# Altium PCB MMB_Controller_Board.pcbdoc (part 1 of 3) (continued)
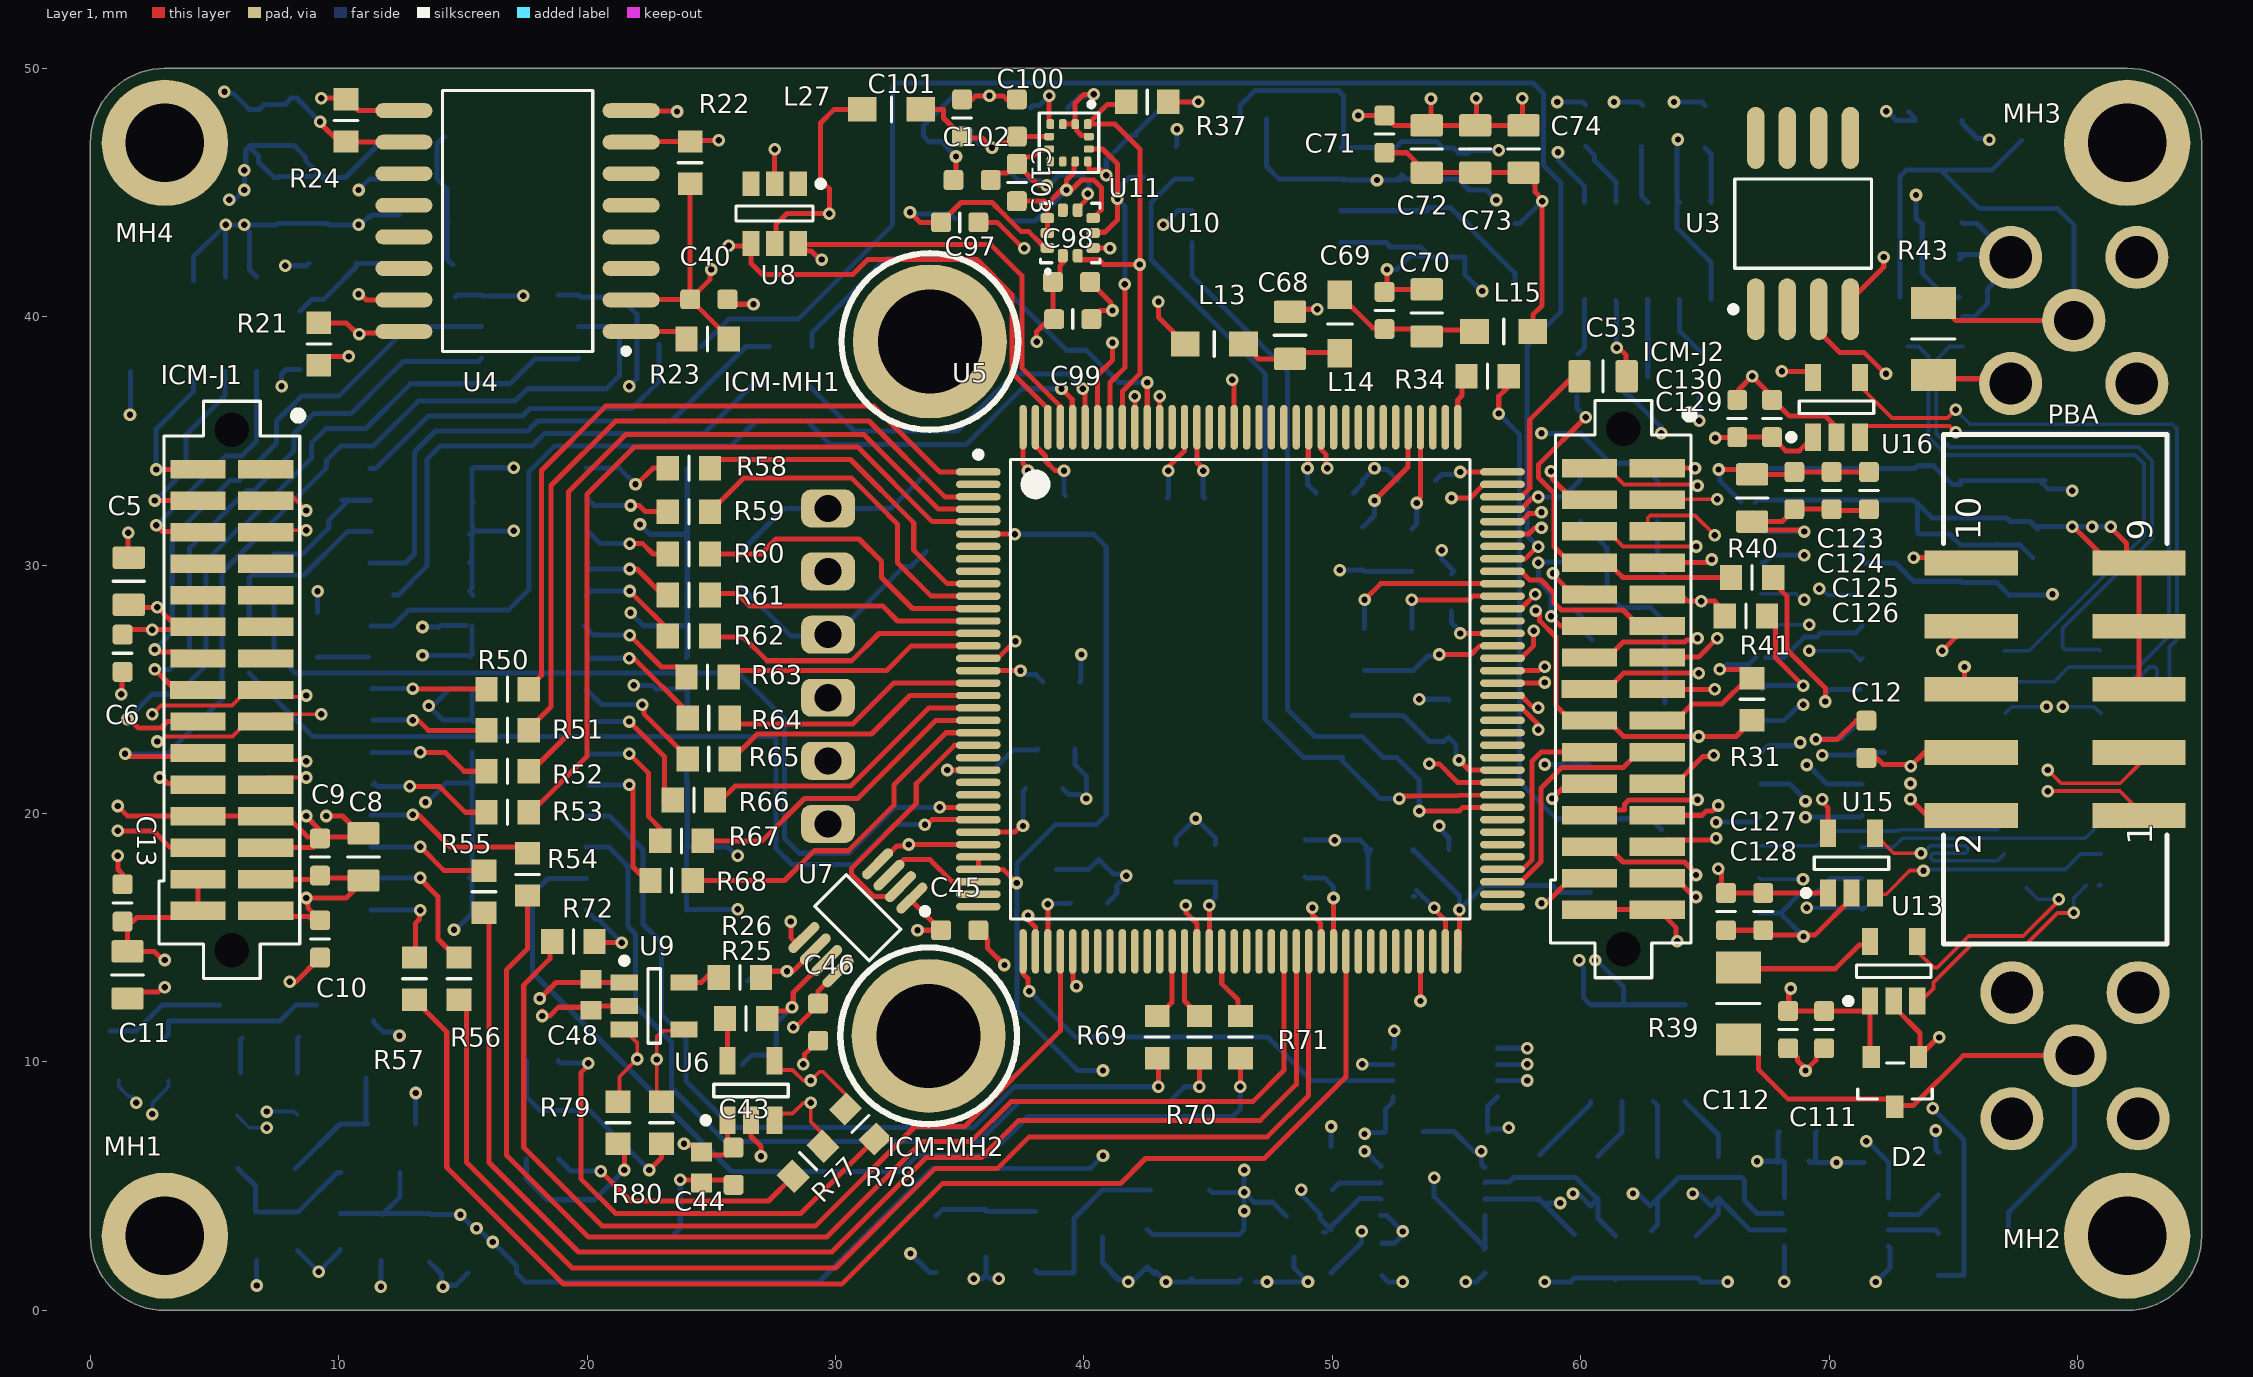
[diagram p0: Layer 1 view]
## Footprints (in the part's own frame and the unit in brackets; to place one, negate y for a bottom-side part, rotate by r counter-clockwise, add the part's x,y. Pads: shape width x height; smd on the part's side, far side on the other; paste and mask are expansions set on the pad) (continued)
  silkscreen extent -10.67,-9.25 9.25,9.57, body extent -10,-10 10,10, height 1.78
"Test Point SM" [mil]
  rrect10% 150x80 smd: 1(0,0)
  body extent -75,-40 75,40, height 60
TI-DGK8_N [mm]
  oval 1.6x0.4 smd: 1(-2.1,0.975) 2(-2.1,0.325) 3(-2.1,-0.325) 4(-2.1,-0.975) 5(2.1,-0.975) 6(2.1,-0.325) 7(2.1,0.325) 8(2.1,0.975)
  silkscreen extent -2.22,-1.55 0.9,1.85, body extent -2.01,-1.52 2.06,1.52, height 1.1
VFLGA-12 [mm]
  rrect50% 0.4x0.3 smd mask+0.05: 1(-0.75,0.75) 2(-0.75,0.25) 3(-0.75,-0.25) 4(-0.75,-0.75) 7(0.75,-0.75) 8(0.75,-0.25) 9(0.75,0.25) 10(0.75,0.75)
  rrect50% 0.3x0.4 smd mask+0.05: 5(-0.25,-0.8) 6(0.25,-0.8) 11(0.25,0.8) 12(-0.25,0.8)
  silkscreen extent -1.63,-1.2 1.2,1.2, body extent -1.02,-1 0.98,1, height 1.1
W8+2_M [mm]
  oval 2.5x0.7 smd: 1(-3.45,1.905) 2(-3.45,0.635) 3(-3.45,-0.635) 4(-3.45,-1.905) 5(3.45,-1.905) 6(3.45,-0.635) 7(3.45,0.635) 8(3.45,1.905)
  silkscreen extent -3.57,-2.75 1.8,2.93, body extent -3.02,-2.51 3.02,2.51, height 1.6

## Part data
C1 C2 C3 C4 C40 C43 C45 C46 C47 C50 C55 C56 C57 C58 C59 C60 C61 C62 C63 C64 C65 C66 C67 C96 C98 C100 C102 C104 C105 C106 C108 C131 C132: library part CapC_0.1uF_603_50V, "0.1µF ±10% 50V Ceramic Capacitor X7R 0603 (1608 Metric)", Capacitance=0.1uF, Case/Package=0603, Case Code (Metric)=1608, Dielectric=X7R, Manufacturer=TDK, Manufacturer Part Number=CGJ3E2X7R1H104K080AA, Max Operating Temperature=125°C, Min Operating Temperature=-55°C, Package Quantity=1, Ratings=COTS, Supplier Part Number 1=445-8122-1-ND, Tolerance=10%, Voltage Rating=50V, Case Code (Imperial)=0603, ComponentLink1Description=Datasheet, ComponentLink1URL=https://product.tdk.com/info/en/catalog/datasheets/mlcc_highreliability_general_en.pdf, ComponentLink2Description="Supplier Link", ComponentLink2URL=https://www.digikey.com/products/en?keywords=445-8122-1-ND, Composition=Ceramic, Depth=0.8mm, Height=0.8mm, Lead Free="Lead Free", Length=1.6mm, Mount="Surface Mount", Packaging="Tape and Reel", Pricing 1="1 = 0.22000, 10 = 0.15300, 100 = 0.07740, 500 = 0.05294, 1000 = 0.04683 (USD)", Radiation Hardening=No, RoHS=Yes, Stock 1=697211, Supplier 1=Digi-Key, Termination=SMD/SMT, Thickness=0.035inch, Voltage Rating (DC)=50V, Weight=7.1E-05oz, Width=0.8mm
C5 C8 C11 C51 C54 C68 C70 C72 C73 C74 C75 C77 C79 C80 C81 C82 C84 C86 C87 C88 C89 C91 C93 C94 C95 C110 C115 C119 C123 C133 C134: library part CapC_10uF_805_10V, "Capacitor", Capacitance=10uF, Case/Package=0805, Case Code (Metric)=2012, Dielectric=X7R, Manufacturer=Murata, Manufacturer Part Number=GCJ21BR71A106KE01L, Max Operating Temperature=125°C, Min Operating Temperature=-55°C, Package Quantity=3000, Ratings=AEC-Q200, Supplier Part Number 1=490-12646-1-ND, Tolerance=10%, Voltage Rating=10V, Case Code (Imperial)=0805, ComponentLink1Description=Datasheet, ComponentLink1URL=https://www.murata.com/~/media/webrenewal/support/library/catalog/products/capacitor/mlcc/c03e.ashx?la=en-us, ComponentLink2Description="Supplier Link", ComponentLink2URL=https://www.digikey.com/products/en?keywords=490-12646-1-ND, Depth=1.25mm, Features="Soft Termination", Height=1.25mm, Length=2mm, Mount="Surface Mount", Packaging="Tape and Reel", Pricing 1="1 = 0.70000, 10 = 0.49300, 100 = 0.32440, 500 = 0.24032, 1000 = 0.20428 (USD)", RoHS=Yes, Stock 1=140399, Supplier 1=Digi-Key, Termination=SMD/SMT, Thickness=0.057inch, Voltage Rating (DC)=10V, Weight=0.000335oz, Width=0.049inch
C6 C7 C9 C10 C12 C13 C41 C49 C69 C71 C76 C78 C83 C85 C90 C92 C116 C117 C118 C120 C121 C122 C124 C125 C126: library part CapC_0.1uF_603_50V_GCJ, "0.1µF ±10% 50V Ceramic Capacitor X7R 0603 (1608 Metric)", Capacitance=0.1uF, Case/Package=0603, Case Code (Metric)=1608, Dielectric=X7R, Manufacturer=Murata, Manufacturer Part Number=GCJ188R71H104KA12D, Max Operating Temperature=125°C, Min Operating Temperature=-55°C, Package Quantity=1, Ratings=AEC-Q200, Supplier Part Number 1=490-5798-1-ND, Tolerance=10%, Voltage Rating=50V, Case Code (Imperial)=0603, ComponentLink1Description=Datasheet, ComponentLink1URL=https://psearch.en.murata.com/capacitor/product/GCJ188R71H104KA12%23.pdf, ComponentLink2Description="Supplier Link", ComponentLink2URL=https://www.digikey.com/products/en?keywords=490-5798-1-ND, Depth=0.8mm, Features="Soft Termination", Height=0.8mm, Lead Free="Lead Free", Length=1.6mm, Mount="Surface Mount", Packaging="Tape and Reel", Pricing 1="1=0.28000, 10=0.19200, 100=0.10890, 500=0.07686, 1000=0.06725 (USD)", Radiation Hardening=No, RoHS=Yes, Stock 1=2321609, Supplier 1=Digi-Key, Termination=SMD/SMT, Thickness=0.035inch, Voltage Rating (DC)=50V, Width=0.031inch
C42: library part CapC_10uF_1206_16V, "Capacitor", Capacitance=10uF, Case/Package=1206, Case Code (Metric)=3216, Dielectric=X7R, Manufacturer=Murata, Manufacturer Part Number=GCJ31CR71C106KA15L, Max Operating Temperature=125°C, Min Operating Temperature=-55°C, Package Quantity=2000, Ratings=AEC-Q200, Supplier Part Number 1=490-10558-1-ND, Tolerance=10%, Voltage Rating=16V, Case Code (Imperial)=1206, ComponentLink1Description=Datasheet, ComponentLink1URL=https://www.murata.com/~/media/webrenewal/support/library/catalog/products/capacitor/mlcc/c03e.ashx?la=en-us, ComponentLink2Description="Supplier Link", ComponentLink2URL=https://www.digikey.com/products/en?keywords=490-10558-1-ND, Features="Soft Termination", Height=1.25mm, Length=0.126inch, Mount="Surface Mount", Packaging="Tape and Reel", Pricing 1="1 = 0.79000, 10 = 0.56200, 100 = 0.36990, 500 = 0.27402, 1000 = 0.23292 (USD)", RoHS=Yes, Stock 1=43020, Supplier 1=Digi-Key, Termination=SMD/SMT, Thickness=0.075inch, Voltage Rating (DC)=16V, Weight=0.001411oz, Width=1.6mm
C44 C48: library part CMP-2000-06338-1, "Chip Capacitor, 10000 pF, +/- 10%, 16 V, -55 to 125 degC, 0603 (1608 Metric), RoHS, Tape and Reel", Case Size/Dimension=0603, Dielectric=X7R, Manufacturer=Murata, Package Description="2-Pin Surface Mount Device, Body 1.6 x 0.8 mm", Rated Voltage=16V, Tolerance (%)=±10%, Capacitance=10nF, Datasheet URL=http://search.murata.co.jp/Ceramy/image/img/A01X/G101/ENG/GRM188R71C103KA01-01.pdf, Datasheet Version=02/2016, Manufacturer URL=http://www.murata.com/, Mounting Technology=SurfaceMount, Package Reference=0603
C52 C53: library part CapC_2.2uF_805_16V, "CAP CER 2.2UF 16V X7R 0805", Capacitance=2.2uF, Case/Package=0805, Case Code (Metric)=2012, Dielectric=X7R, Manufacturer=Murata, Manufacturer Part Number=GCJ21BR71C225KA13L, Max Operating Temperature=125°C, Min Operating Temperature=-55°C, Package Quantity=1, Ratings=AEC-Q200, Supplier Part Number 1=490-5801-1-ND, Tolerance=10%, Voltage Rating=16V, Case Code (Imperial)=0805, ComponentLink1Description="Supplier Link", ComponentLink1URL=https://www.digikey.com/products/en?keywords=490-5801-1-ND, ComponentLink2Description=Datasheet, ComponentLink2URL=https://psearch.en.murata.com/capacitor/product/GCJ21BR71C225KA13%23.pdf, ComponentLink3Description=https://datasheet.ciiva.com/172/product-172726.pdf?src-supplier=Digi-Key, ComponentLink3URL=https://datasheet.ciiva.com/172/product-172726.pdf?src-supplier=Digi-Key, ComponentLink4Description=https://datasheet.ciiva.com/172/s0717e-172727.pdf?src-supplier=Digi-Key, ComponentLink4URL=https://datasheet.ciiva.com/172/s0717e-172727.pdf?src-supplier=Digi-Key, ComponentLink5Description=https://datasheet.ciiva.com/172/s0717e-172728.pdf?src-supplier=Digi-Key, ComponentLink5URL=https://datasheet.ciiva.com/172/s0717e-172728.pdf?src-supplier=Digi-Key, Depth=1.25mm, Features="Soft Termination", Height=1.25mm, Lead Free="Lead Free", Length=2mm, Mount="Surface Mount", Packaging="Tape and Reel", Pricing 1="1 = 0.52000, 10 = 0.35900, 100 = 0.21520, 500 = 0.16138, 1000 = 0.13628 (USD)", Radiation Hardening=No, RoHS=Yes, Stock 1=18374, Supplier 1=Digi-Key, Termination=SMD/SMT, Thickness=0.057inch, Voltage Rating (DC)=16V, Width=0.049inch
C97 C99 C101 C103 C107 C109 C111 C114 C127 C129: library part CapC_1.0uF_603_25V, "1µF ±10% 25V Ceramic Capacitor X7R 0603 (1608 Metric)", Capacitance=1.0uF, Case/Package=0603, Manufacturer=Murata, Manufacturer Part Number=GCJ188R71E105KA01D, Supplier Part Number 1=490-14409-1-ND, ComponentLink1Description="Supplier Link", ComponentLink1URL=https://www.digikey.com/products/en?keywords=490-14409-1-ND, ComponentLink2Description=Datasheet, ComponentLink2URL=https://search.murata.co.jp/Ceramy/image/img/A01X/G101/ENG/GCJ188R71E105KA01-01.pdf, ComponentLink3Description=Catalog, ComponentLink3URL=https://www.murata.com/~/media/webrenewal/support/library/catalog/products/capacitor/mlcc/c03e.ashx?la=en-us, Lead Free="Lead Free", Pricing 1="1=0.28000, 10=0.19400, 100=0.11020, 500=0.07780, 1000=0.06807 (USD)", RoHS=No, Stock 1=166271, Supplier 1=Digi-Key
C112 C113 C128 C130: library part CapC_1000pF_603_50V, "Capacitor", Capacitance=1nF, Case/Package=0603, Case Code (Metric)=1608, Dielectric=X7R, Manufacturer="Knowles Syfer", Manufacturer Part Number=0603Y0500102KXT, Max Operating Temperature=125°C, Min Operating Temperature=-55°C, Package Quantity=4000, Supplier Part Number 1=1608-1367-1-ND, Tolerance=10%, Voltage Rating=50V, Case Code (Imperial)=0603, ComponentLink1Description=Datasheet, ComponentLink1URL=https://www.knowlescapacitors.com/getattachment/2dbfc8bc-e2b3-4b4d-afb1-43b011b9ebe0/High-Std-Voltage.aspx, ComponentLink2Description="Supplier Link", ComponentLink2URL=https://www.digikey.com/product-detail/en/knowles-syfer/0603Y0500102KXT/1608-1367-1-ND/7644469, Composition=Ceramic, Depth=0.8mm, Dissipation Factor=2.5%, Height=0.8mm, Length=1.6mm, Packaging="Tape and Reel", Pricing 1="1 = 0.540000, 10 = 0.379000, 100 = 0.249600, 500 = 0.184900, 1000 = 0.157160 (USD)", RoHS=Yes, Stock 1=7150, Supplier 1=Digi-Key, Termination=SMD/SMT, Voltage Rating (DC)=50V, Width=0.8mm
D2 D3: library part "Diode ESD Pair", "DIODE ARRAY SCHOTTKY 30V SOT23-3", Average Rectified Current=200mA, Case/Package=SOT-23-3, Forward Voltage=800mV, Manufacturer="ON Semiconductor", Max Operating Temperature=150°C, Max Repetitive Reverse Voltage (Vrrm)=30V, Max Reverse Leakage Current=2uA, Max Surge Current=600mA, Min Operating Temperature=-55°C, Package Quantity=3000, Power Dissipation=225mW, Supplier Part Number 1=SBAT54SLT1GOSCT-ND, ComponentLink1Description="Supplier Link", ComponentLink1URL=https://www.digikey.com/products/en?keywords=SBAT54SLT1GOSCT-ND, ComponentLink2Description=Datasheet, ComponentLink2URL=http://www.onsemi.com/pub/Collateral/BAT54SLT1-D.PDF, Element Configuration=Dual, Forward Current=200mA, Halogen Free="Halogen Free", Height=1.01mm, Lead Free="Lead Free", Length=3.04mm, Manufacturer Part Number=SBAT54SLT1G, Max Reverse Voltage (DC)=30V, Number of Pins=3, Packaging="Tape and Reel", Peak Non-Repetitive Surge Current=600mA, Peak Reverse Current=2uA, Pricing 1="1 = 0.35000, 10 = 0.28800, 100 = 0.19580, 500 = 0.14684, 1000 = 0.11012 (USD)", Radiation Hardening=No, Recovery Time=5ns, Reverse Recovery Time=5ns, RoHS=Yes, Stock 1=119322, Supplier 1=Digi-Key, Width=1.4mm
ICM-J1 ICM-J2: "SOCKET STRIP, .050\" (1.27mm) PITCH, SURFACE MOUNT.", Color=Black, Contact Resistance=15mR, Manufacturer=Samtec, Manufacturer Part Number=SFM-115-02-S-D-A-K-TR, Max Operating Temperature=125°C, Max Voltage Rating (AC)=250V, Min Operating Temperature=-55°C, Supplier Part Number 1=SAM13245CT-ND, ComponentLink2Description="Supplier Link", ComponentLink2URL=https://www.digikey.com/products/en?keywords=SAM13245CT-ND, ComponentLink3Description=Datasheet, ComponentLink3URL=http://suddendocs.samtec.com/catalog_english/sfm.pdf, ComponentLink4Description=Drawing, ComponentLink4URL=http://suddendocs.samtec.com/prints/sfm-1xx-xx-xxx-d-xxx-mkt.pdf, Connector Type=Receptacle,Socket, Contact Material=Copper, Contact Plating=Gold, Depth=3.68mm, Gender=Receptacle, Housing Color=Black, Housing Material=Polymer, Length=22.22mm, Mount="Surface Mount", Number of Contacts=30, Number of Positions=30, Number of Rows=2, Orientation=Straight, Packaging="Tape and Reel", Pitch=1.27mm, Pricing 1="1 = 8.10000, 10 = 7.74400, 100 = 6.51200 (USD)", Radiation Hardening=No, REACH SVHC="No SVHC", RoHS=Yes, Row Spacing=0.05inch, Stock 1=1543, Supplier 1=Digi-Key, Termination=Solder
ICM-MH1 ICM-MH2: "standoff, SMT, 4-40, 0.25\" Long", Manufacturer="Keystone Electronics", Manufacturer Part Number=4883, Supplier Part Number 1=36-4883CT-ND, Classname=ICM_3D, ComponentLink1Description="4883 Drawing", ComponentLink1URL=http://www.keyelco.com/product-pdf.cfm?p=14255, Pricing 1="1 = 0.52000, 10 = 0.48500, 25 = 0.43640, 50 = 0.38780, 100 = 0.37170, 250 = 0.33932 (USD)", Stock 1=8158, Supplier 1=Digi-Key
ID0 ID1 ID2 ID3: "RES ZERO OHM 0805 SMD", Case/Package=0805, Case Code (Metric)=2012, Current Rating=2A, Manufacturer=Panasonic, Manufacturer Part Number=ERJ6GEY0R00V, Max Operating Temperature=155°C, Max Power Dissipation=125mW, Min Operating Temperature=-55°C, Package Quantity=1, Resistance=0.0, Supplier Part Number 1=P0.0ACT-ND, Temperature Coefficient=600ppm/°C, Tolerance=5%, Voltage Rating=150V, Case Code (Imperial)=0805, ComponentLink1Description=https://datasheet.ciiva.com/11821/0900766b80f806dd-11821735.pdf?src-supplier=RSComponents, ComponentLink1URL=https://datasheet.ciiva.com/11821/0900766b80f806dd-11821735.pdf?src-supplier=RSComponents, ComponentLink2Description=https://datasheet.ciiva.com/36526/1989607-36526237.pdf?src-supplier=Jameco, ComponentLink2URL=https://datasheet.ciiva.com/36526/1989607-36526237.pdf?src-supplier=Jameco, ComponentLink3Description=https://datasheet.ciiva.com/28695/1678796-28695877.pdf?src-supplier=Element14, ComponentLink3URL=https://datasheet.ciiva.com/28695/1678796-28695877.pdf?src-supplier=Element14, ComponentLink4Description=https://datasheet.ciiva.com/43460/1678796-43460073.pdf?src-supplier=Farnell, ComponentLink4URL=https://datasheet.ciiva.com/43460/1678796-43460073.pdf?src-supplier=Farnell, ComponentLink5Description=https://datasheet.ciiva.com/9117/aoa0000ce1-9117354.pdf?src-supplier=Avnet, ComponentLink5URL=https://datasheet.ciiva.com/9117/aoa0000ce1-9117354.pdf?src-supplier=Avnet, ComponentLink6Description=https://datasheet.ciiva.com/46377/1678796-46377866.pdf?src-supplier=Element14, ComponentLink6URL=https://datasheet.ciiva.com/46377/1678796-46377866.pdf?src-supplier=Element14, ComponentLink7Description=https://datasheet.ciiva.com/17215/aoa0000ce1-17215390.pdf?src-supplier=Avnet+Europe, ComponentLink7URL=https://datasheet.ciiva.com/17215/aoa0000ce1-17215390.pdf?src-supplier=Avnet+Europe, ComponentLink8Description=https://datasheet.ciiva.com/16512/aoa0000ce1-16512111.pdf?src-supplier=Avnet+Asia, ComponentLink8URL=https://datasheet.ciiva.com/16512/aoa0000ce1-16512111.pdf?src-supplier=Avnet+Asia, Composition="Thick Film", Contact Plating=Tin, Depth=1.25mm, Features="Automotive AEC-Q200", Height=0.6mm, Lead Free="Lead Free", Length=2mm, Military Standard=Not, Mount="Surface Mount", Number of Terminations=2, Packaging="Tape and Reel", Power Rating=125mW, Pricing 1="1 = 0.10000, 10 = 0.06000, 25 = 0.04320, 50 = 0.03300, 100 = 0.02430, 250 = 0.01852, 500 = 0.01482, 1000 = 0.01090 (USD)", Radiation Hardening=No, REACH SVHC="No SVHC", RoHS=Yes, Stock 1=5556612, Supplier 1=Digi-Key, Termination=SMD/SMT, Voltage Rating (DC)=150V, Width=1.25mm
J2 J3: library part SMA-Vertical, "SMA Vertical, 0.200\"LS", Dielectric Material="Polytetrafluoroethylene (PTFE)", Frequency - Max=18GHz, Housing Color=Gold, Manufacturer="Emerson Network Power Connectivity Johnson", Manufacturer Part Number=142-0701-231, Operating Temperature="-65°C ~ 165°C", Supplier Part Number 1=J608-ND, Voltage Rating=335V, Body Finish=Gold, Body Material=Brass, Cable Group=-, Category="Connectors, Interconnects", Center Contact Material="Beryllium Copper", Center Contact Plating=Gold, ComponentLink1Description=https://cinchconnectivity.com/OA_MEDIA/specs/pi-142-0701-231.pdf, ComponentLink1URL=https://cinchconnectivity.com/OA_MEDIA/specs/pi-142-0701-231.pdf, Connector Style=SMA, Connector Type="Jack, Female Socket", Contact Termination=Solder, Fastening Type=Threaded, Features=-, Impedance="50 Ohm", Ingress Protection=-, Mounting Type="Through Hole", Packaging=Bulk, Pricing="1=5.46, 10=4.861, 50=3.968, 100=3.5712, 250=3.2736, 500=2.7776, 750=2.63872, 1000=2.48, 2500=2.3808 (USD)", Pricing 1="1=5.46, 10=4.861, 50=3.968, 100=3.5712, 250=3.2736, 500=2.7776, 750=2.63872, 1000=2.48, 2500=2.3808 (USD)", RoHS="RoHS Compliant", Shield Termination=Solder, Stock=9668, Stock 1=9535, Supplier 1=Digi-Key
L13 L14 L15 L16 L17 L18 L19 L20 L21 L22 L23 L24: library part "Bead SM_805_4.0A_TDK", "100 Ohms @ 100MHz 1 Power Line Ferrite Bead 0805 (2012 Metric) 4A 20mOhm", Case/Package=0805, Case Code (Metric)=2012, DC Resistance (DCR)=20mR, Manufacturer=TDK, Manufacturer Part Number=MPZ2012S101ATD25, Max Current Rating=4A, Max Operating Temperature=125°C, Min Operating Temperature=-55°C, Package Quantity=4000, Ratings=AEC-Q200, Supplier Part Number 1=445-172903-1-ND, Test Frequency=100MHz, Tolerance=25%, Case Code (Imperial)=0805, ComponentLink1Description=Datasheet, ComponentLink1URL=https://product.tdk.com/info/en/catalog/datasheets/beads_automotive_power_mpz2012_en.pdf, ComponentLink2Description="MPZ Series", ComponentLink2URL=https://media.digikey.com/pdf/Data%20Sheets/TDK%20PDFs/MPZ_Series_Br.pdf, ComponentLink3Description="Supplier Link", ComponentLink3URL=https://www.digikey.com/products/en?keywords=445-172903-1-ND, Core Material=Ferrite, Depth=1.25mm, Height=0.85mm, Impedance=100R, Lead Free="Lead Free", Length=0.079inch, Max DC Current=4A, Mount="Surface Mount", Number of Lines=1, Packaging="Tape and Reel", Pricing 1="1=0.13000, 10=0.10400, 25=0.08080, 50=0.06700, 100=0.05780, 250=0.04620, 500=0.04158, 1000=0.03465 (USD)", RoHS=Yes, Stock 1=173046, Supplier 1=Digi-Key, Termination=SMD/SMT, Weight=0.000194oz, Width=1.25mm
L27 L28: library part "Bead SM_805_2.5A_TDK", "MPZ2012S331ATD25", Case/Package=0805, Case Code (Metric)=2012, DC Resistance (DCR)=50mR, Manufacturer=TDK, Max Current Rating=2.5A, Max Operating Temperature=125°C, Min Operating Temperature=-55°C, Package Quantity=4000, Ratings=AEC-Q200, Supplier Part Number 1=445-172907-1-ND, Test Frequency=100MHz, Tolerance=25%, Case Code (Imperial)=0805, ComponentLink1Description=Datasheet, ComponentLink1URL=https://product.tdk.com/info/en/catalog/datasheets/beads_automotive_power_mpz2012_en.pdf, Height=0.041inch, Impedance=330R, Lead Free="Lead Free", Length=0.079inch, Manufacturer Part Number=MPZ2012S331ATD25, Max DC Current=2.5A, Mount="Surface Mount", Number of Lines=1, Packaging="Tape and Reel", Pricing 1="1=0.13000, 10=0.10400, 25=0.08080, 50=0.06700, 100=0.05780, 250=0.04620, 500=0.04158, 1000=0.03465 (USD)", RoHS=Yes, Stock 1=19319, Supplier 1=Digi-Key, Termination=SMD/SMT, Weight=0.000194oz, Width=0.049inch
MH1 MH2 MH3 MH4: library part "Mounting Hole #4_Standoff"
P1 P13 P14: library part 62100821021, "WR-PHD Pin Header, SMT, pitch 1.27mm, Dual Row, Vertical, 8pin", Contact Resistance=20mOhm, Operating Temperature="-40 to +105degC", Rated Current=1A, Withstanding Voltage=500VAC, Working Voltage=100VAC, ComponentLink1Description=Manufacturer, ComponentLink1URL=http://www.we-online.de, ComponentLink2Description=Datasheet, ComponentLink2URL=https://katalog.we-online.de/em/datasheet/62100821021.pdf, Gender=Male, Mounting Technology=SMT, Orientation=Vertical, Packaging=Tube, Part Number=62100821021, Pin Number=8, Pitch=1.27mm, Published Date="June 2019", Publisher="Wurth Elektronik", Row Number=Dual
P2 P6: library part 62101021021, "WR-PHD Pin Header, SMT, pitch 1.27mm, Dual Row, Vertical, 10pin", Contact Resistance=20mOhm, Operating Temperature="-40 to +105degC", Rated Current=1A, Withstanding Voltage=500VAC, Working Voltage=100VAC, ComponentLink1Description=Manufacturer, ComponentLink1URL=http://www.we-online.de, ComponentLink2Description=Datasheet, ComponentLink2URL=https://katalog.we-online.de/em/datasheet/62101021021.pdf, Gender=Male, Mounting Technology=SMT, Orientation=Vertical, Packaging=Tube, Part Number=62101021021, Pin Number=10, Pitch=1.27mm, Published Date="June 2019", Publisher="Wurth Elektronik", Row Number=Dual
P9: library part "Header Male SL-6-VERT", "CONN HEADER 6POS .100 VERT 30AU", Color=Black, Contact Resistance=30mR, Manufacturer=Molex, Manufacturer Part Number=0705430110, Max Operating Temperature=105°C, Min Operating Temperature=-40°C, Supplier Part Number 1=WM4126-ND, ComponentLink1Description=https://datasheet.ciiva.com/3933/189370705430110-pcb-headers-3933231.pdf?src-supplier=Arrow, ComponentLink1URL=https://datasheet.ciiva.com/3933/189370705430110-pcb-headers-3933231.pdf?src-supplier=Arrow, ComponentLink2Description=https://datasheet.ciiva.com/6831/705430106-sd-6831991.pdf?src-supplier=Digi-Key, ComponentLink2URL=https://datasheet.ciiva.com/6831/705430106-sd-6831991.pdf?src-supplier=Digi-Key, Connector Type="Male Pin", Contact Material=Bronze, Contact Mating Length=0.24inch, Contact Plating=Gold, Depth=6.6mm, Housing Color=Black, Housing Material=Polyester, Length=17.79mm, Mount="Through Hole", Number of Contacts=6, Number of Positions=6, Number of Rows=1, Orientation=Straight, Packaging=Rail/Tube, Pitch=2.54mm, Pricing 1="1=1.87000, 10=1.69400, 100=1.45240, 500=1.21030, 1440=1.03740, 5760=0.91983, 10080=0.89908 (USD)", RoHS=Yes, Stock 1=1397, Supplier 1=Digi-Key, Termination=Solder
P10: "WR-PHD Pin Header, SMT, pitch 2.54mm, Single Row, Vertical, 6pin", Contact Resistance=20mOhm, Operating Temperature="-40 to +125degC", Rated Current=3A, Withstanding Voltage=500VAC, Working Voltage=250VAC, ComponentLink1Description=Manufacturer, ComponentLink1URL=http://www.we-online.de, ComponentLink2Description=Datasheet, ComponentLink2URL=https://katalog.we-online.de/em/datasheet/6100xx18221.pdf, Gender=Male, Mounting Technology=SMT, Orientation=Vertical, Packaging=Tube, Part Number=61000618221, Pin Number=6, Pitch=2.54mm, Published Date="June 2019", Publisher="Wurth Elektronik", Row Number=Single
P11 P12 P15: library part "Header Male 3M-452 15x2", "CONN HEADER SMD 30POS 1.27MM", Current Rating=1A, Flammability Rating="UL94 V-0", Manufacturer=3M, Manufacturer Part Number=45230-220230, Max Operating Temperature=105°C, Min Operating Temperature=-55°C, Package Quantity=500, Supplier Part Number 1=3M15579CT-ND, Voltage Rating=125V, ComponentLink1Description="Supplier Link", ComponentLink1URL=https://www.digikey.com/products/en?keywords=3M15579CT-ND, ComponentLink2Description=Datasheet, ComponentLink2URL=https://media.digikey.com/pdf/Data%20Sheets/3M%20PDFs/451,452_Series_Header&Socket.pdf, Connector Type="Male Pin", Contact Gender=Male, Contact Material="Copper Alloy,Bronze", Contact Plating=Gold, Fastening Type=Latch, Housing Material="Liquid Crystal Polymer", Mount="Surface Mount", Number of Contacts=30, Number of Positions=30, Number of Rows=2, Packaging="Cut Tape", Pitch=1.27mm, Pricing 1="1 = 10.50000, 10 = 10.04800, 100 = 8.44930 (USD)", RoHS=Yes, Row Spacing=0.05inch, Stock 1=334, Supplier 1=Digi-Key, Termination=Solder
P16 P17: library part 62100421021, "WR-PHD Pin Header, SMT, pitch 1.27mm, Dual Row, Vertical, 4pin", Contact Resistance=20mOhm, Operating Temperature="-40 to +105degC", Rated Current=1A, Withstanding Voltage=500VAC, Working Voltage=100VAC, ComponentLink1Description=Manufacturer, ComponentLink1URL=http://www.we-online.de, ComponentLink2Description=Datasheet, ComponentLink2URL=https://katalog.we-online.de/em/datasheet/62100421021.pdf, Gender=Male, Mounting Technology=SMT, Orientation=Vertical, Packaging=Tube, Part Number=62100421021, Pin Number=4, Pitch=1.27mm, Published Date="June 2019", Publisher="Wurth Elektronik", Row Number=Dual
P33: "WR-PHD Pin Header, SMT, pitch 1.27mm, Dual Row, Vertical, 6pin", Contact Resistance=20mOhm, Operating Temperature="-40 to +105degC", Rated Current=1A, Withstanding Voltage=500VAC, Working Voltage=100VAC, ComponentLink1Description=Manufacturer, ComponentLink1URL=http://www.we-online.de, ComponentLink2Description=Datasheet, ComponentLink2URL=https://katalog.we-online.de/em/datasheet/62130621021.pdf, Gender=Male, Mounting Technology=SMT, Orientation=Vertical, Packaging="Tape and Reel", Part Number=62130621021, Pin Number=6, Pitch=1.27mm, Published Date="June 2019", Publisher="Wurth Elektronik", Row Number=Dual
PBA: "Male Box Header WR-BHD, SMT, Vertical, pitch 2.54 mm, 10 pins", Contact Resistance="20 mOhm", Operating Temperature="-40 to 125 degC", Withstanding Voltage="500 VAC", Working Voltage="250 VAC", ComponentLink1Description=Manufacturer, ComponentLink1URL=http://www.we-online.de, ComponentLink2Description=Datasheet, ComponentLink2URL=https://katalog.we-online.de/em/datasheet/6120xx20621.pdf, Gender=Male, Mounting Technology=SMT, Orientation=Vertical, Packaging=Tube, Part Number=61201020621, Pin Number=10, Pitch="2.54 mm", Published Date="August 2018", Publisher="Wurth Elektronik"
R1 R3 R4 R6: "RES 243 OHM 1/10W 1% 0603 SMD", Case/Package=0603, Case Code (Metric)=1608, Manufacturer=Panasonic, Manufacturer Part Number=ERJ3EKF2430V, Max Operating Temperature=155°C, Max Power Dissipation=100mW, Min Operating Temperature=-55°C, Package Quantity=1, Resistance=243, Supplier Part Number 1=P243HCT-ND, Temperature Coefficient=100ppm/°C, Tolerance=1%, Voltage Rating=75V, Voltage Rating (DC)=50V, Case Code (Imperial)=0603, ComponentLink1Description=https://datasheet.ciiva.com/34303/1987812-34303583.pdf?src-supplier=Jameco, ComponentLink1URL=https://datasheet.ciiva.com/34303/1987812-34303583.pdf?src-supplier=Jameco, ComponentLink2Description=https://datasheet.ciiva.com/16775/70260748-16775483.pdf?src-supplier=Allied+Electronics, ComponentLink2URL=https://datasheet.ciiva.com/16775/70260748-16775483.pdf?src-supplier=Allied+Electronics, ComponentLink3Description=https://datasheet.ciiva.com/15158/getdatasheetpartid-248556-15158988.pdf?src-supplier=Verical, ComponentLink3URL=https://datasheet.ciiva.com/15158/getdatasheetpartid-248556-15158988.pdf?src-supplier=Verical, ComponentLink4Description=https://datasheet.ciiva.com/46377/426256-46377740.pdf?src-supplier=Element14, ComponentLink4URL=https://datasheet.ciiva.com/46377/426256-46377740.pdf?src-supplier=Element14, ComponentLink5Description=https://datasheet.ciiva.com/5870/426256-5870797.pdf?src-supplier=Farnell, ComponentLink5URL=https://datasheet.ciiva.com/5870/426256-5870797.pdf?src-supplier=Farnell, ComponentLink6Description=https://datasheet.ciiva.com/24069/aoa0000ce2-24069038.pdf?src-supplier=Mouser, ComponentLink6URL=https://datasheet.ciiva.com/24069/aoa0000ce2-24069038.pdf?src-supplier=Mouser, ComponentLink7Description=https://datasheet.ciiva.com/28685/1678782-28685326.pdf?src-supplier=Element14, ComponentLink7URL=https://datasheet.ciiva.com/28685/1678782-28685326.pdf?src-supplier=Element14, ComponentLink8Description=https://datasheet.ciiva.com/46389/426256-46389230.pdf?src-supplier=Element14, ComponentLink8URL=https://datasheet.ciiva.com/46389/426256-46389230.pdf?src-supplier=Element14, Composition="Thick Film", Contact Plating=Tin, Depth=0.8mm, Features="Automotive AEC-Q200", Height=0.45mm, Lead Free="Lead Free", Length=1.6mm, Military Standard=Not, Mount="Surface Mount", Number of Terminations=2, Packaging="Tape and Reel", Power Rating=100mW, Pricing 1="1 = 0.10000, 10 = 0.06500, 100 = 0.02640, 1000 = 0.01186, 2500 = 0.01029 (USD)", Radiation Hardening=No, REACH SVHC=Unknown, RoHS=Yes, Stock 1=188850, Supplier 1=Digi-Key, Termination=SMD/SMT, Width=0.031inch
R2 R5 R7 R8: "RES 4.99K OHM 1/10W 1% 0603 SMD", Case/Package=0603, Case Code (Metric)=1608, Manufacturer=Panasonic, Manufacturer Part Number=ERJ3EKF4991V, Max Operating Temperature=155°C, Max Power Dissipation=100mW, Min Operating Temperature=-55°C, Package Quantity=1, Resistance=4.99K, Supplier Part Number 1=P4.99KHCT-ND, Temperature Coefficient=100ppm/°C, Tolerance=1%, Voltage Rating=22.34V, Voltage Rating (DC)=50V, Case Code (Imperial)=0603, ComponentLink1Description=https://datasheet.ciiva.com/6064/1678796-6064566.pdf?src-supplier=Farnell, ComponentLink1URL=https://datasheet.ciiva.com/6064/1678796-6064566.pdf?src-supplier=Farnell, ComponentLink2Description=https://datasheet.ciiva.com/16514/aoa0000ce2-16514087.pdf?src-supplier=Avnet+Asia, ComponentLink2URL=https://datasheet.ciiva.com/16514/aoa0000ce2-16514087.pdf?src-supplier=Avnet+Asia, ComponentLink3Description=https://datasheet.ciiva.com/22749/1678782-22749655.pdf?src-supplier=Element14, ComponentLink3URL=https://datasheet.ciiva.com/22749/1678782-22749655.pdf?src-supplier=Element14, ComponentLink4Description=https://datasheet.ciiva.com/24068/aoa0000ce2-24068247.pdf?src-supplier=Mouser, ComponentLink4URL=https://datasheet.ciiva.com/24068/aoa0000ce2-24068247.pdf?src-supplier=Mouser, ComponentLink5Description=https://datasheet.ciiva.com/48531/aoa0000ce2-48531015.pdf?src-supplier=Avnet, ComponentLink5URL=https://datasheet.ciiva.com/48531/aoa0000ce2-48531015.pdf?src-supplier=Avnet, ComponentLink6Description=https://datasheet.ciiva.com/16767/70260748-16767032.pdf?src-supplier=Allied+Electronics, ComponentLink6URL=https://datasheet.ciiva.com/16767/70260748-16767032.pdf?src-supplier=Allied+Electronics, ComponentLink7Description=https://datasheet.ciiva.com/28694/1678782-28694217.pdf?src-supplier=Element14, ComponentLink7URL=https://datasheet.ciiva.com/28694/1678782-28694217.pdf?src-supplier=Element14, ComponentLink8Description=https://datasheet.ciiva.com/30108/aoa0000ce2-30108827.pdf?src-supplier=Onlinecomponents.com, ComponentLink8URL=https://datasheet.ciiva.com/30108/aoa0000ce2-30108827.pdf?src-supplier=Onlinecomponents.com, ComponentLink9Description=https://datasheet.ciiva.com/9117/aoa0000ce2-9117117.pdf?src-supplier=Avnet, ComponentLink9URL=https://datasheet.ciiva.com/9117/aoa0000ce2-9117117.pdf?src-supplier=Avnet, ComponentLink10Description=https://datasheet.ciiva.com/46376/1678796-46376941.pdf?src-supplier=Element14, ComponentLink10URL=https://datasheet.ciiva.com/46376/1678796-46376941.pdf?src-supplier=Element14, Composition="Thick Film", Contact Plating=Tin, Depth=0.8mm, Features="Automotive AEC-Q200", Height=0.022inch, Lead Free="Lead Free", Length=1.6mm, Military Standard=Not, Mount="Surface Mount", Number of Terminations=2, Packaging="Tape and Reel", Power Rating=100mW, Pricing 1="1 = 0.10000, 10 = 0.06500, 100 = 0.02640, 1000 = 0.01186, 2500 = 0.01029 (USD)", Radiation Hardening=No, REACH SVHC="No SVHC", RoHS=Yes, Stock 1=2729693, Supplier 1=Digi-Key, Termination=SMD/SMT, Width=0.031inch